# Altium PCB main - Copy.PcbDoc (part 9 of 14)
Units mil, origin at the board's own origin, x right, y up, seen from the top; angles counter-clockwise.
Board outline 8394.55 x 5164.44 mil, 7 copper layers (Top Layer 1, Layer 2, Layer 3, Unused, Layer 4_pow, Layer 5_gnd, Bottom 6+gnd), stack 46.112 mil thick; 406 components, 463 nets, 1919 pads, 903 vias.
Unrouted connection lines stored in the file: 147.
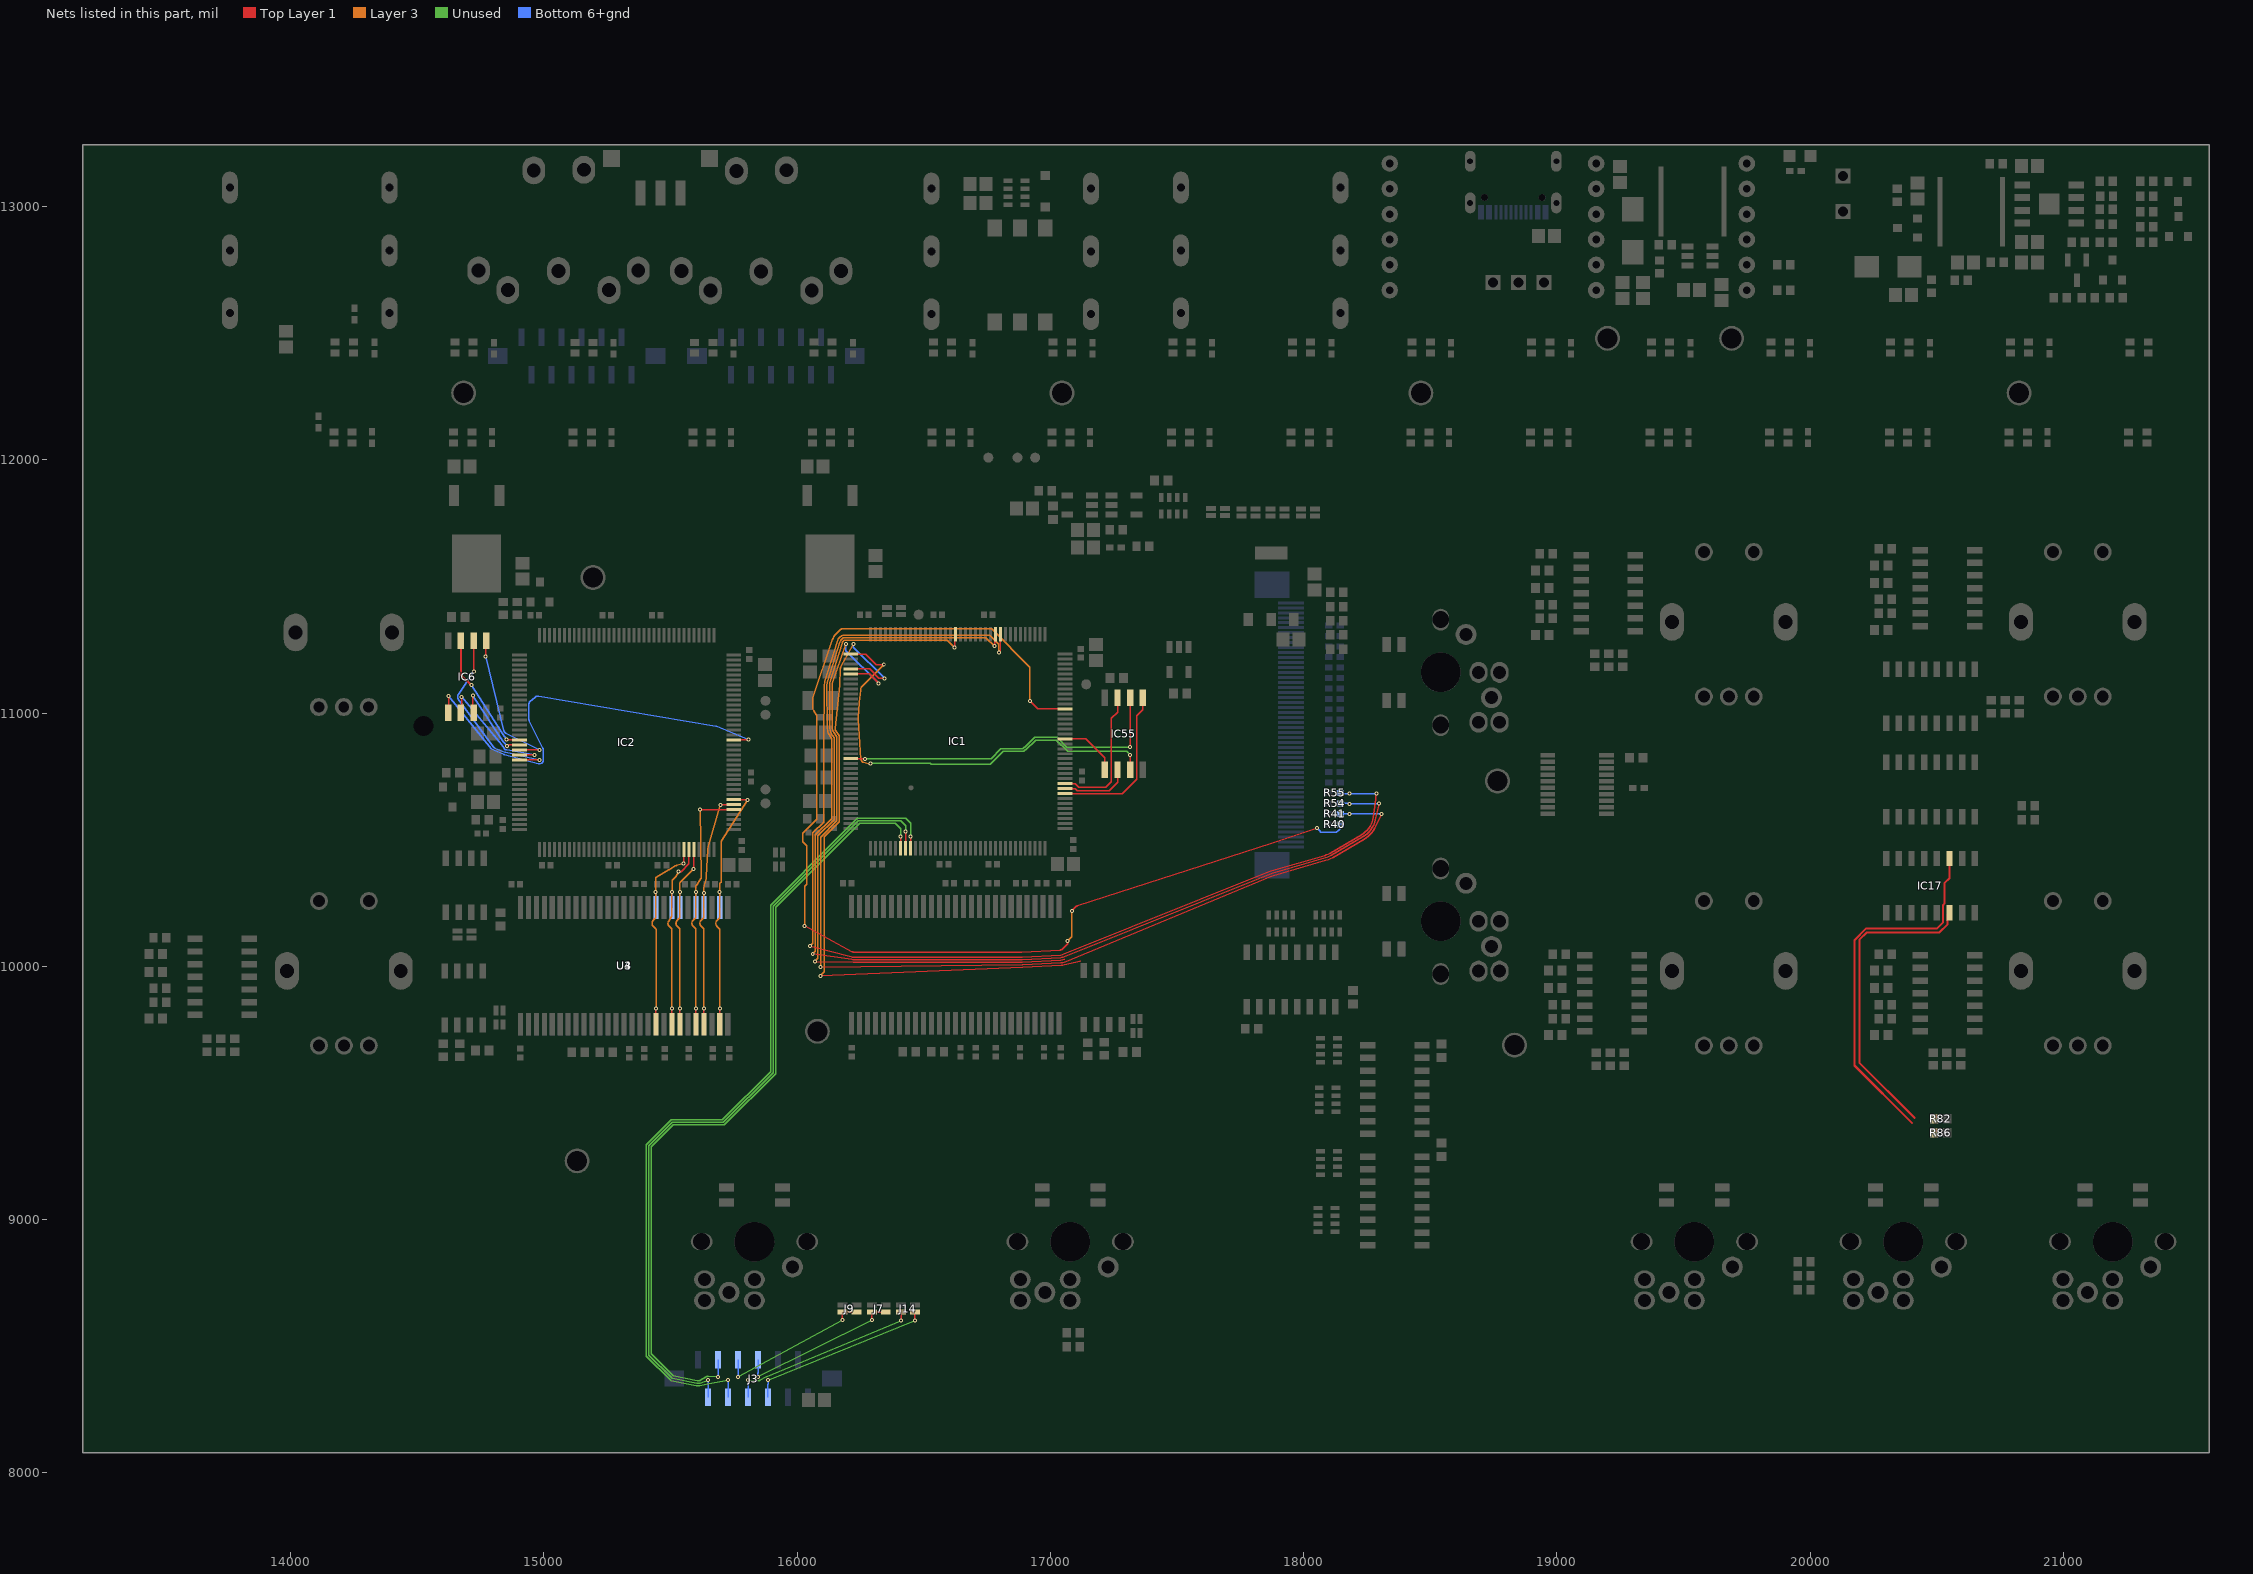
[diagram p13: the nets of this part, all layers, seen from the top]

## Via types
v1: diameter 15.75, hole 7.87, Top Layer 1 to Bottom 6+gnd, tented both sides, 830 vias
v2: diameter 27.56, hole 11.81, Top Layer 1 to Bottom 6+gnd, 45 vias
v3: diameter 23.62/23.62/23.62/23.62/23.62/23.62/23.62 (per signal layer), hole 12, Top Layer 1 to Bottom 6+gnd, tented top, 12 vias
v4: diameter 15.75, hole 7.87, Top Layer 1 to Bottom 6+gnd, 10 vias
v5: diameter 23.62/23.62/23.62/23.62/23.62/23.62/23.62 (per signal layer), hole 12, Top Layer 1 to Bottom 6+gnd, tented bottom, 6 vias

## Nets (pads, with @x,y where several pads share a name; then routed paths per layer and width w, separated by ;. In a path a pad name is that pad's centre, name@x,y a point inside that pad or via, vN(x,y) a via of type N, cw(c..) or ccw(c..) an arc to the next point about the centre after c; other vN are vias at no path point) (continued)
DD10: IC2.66 U3.45 U4.45 | length 910.2
  Top Layer 1 w5: U3.45@15442.68,9771.4 v1@15442.68,9833.24 ; v1(15552.06,10406.33) 15552.97,10407.25 IC2.66@15552.97,10461.96
  Layer 3 w5: 15430.83,10180.02 ccw(c15442.44,10169.94) 15431.54,10159.1 15441.47,10149.12 ; 15430.84,10180.03 15440.47,10191.09 ccw(c15436.7,10194.37) 15441.7,10194.28 ; 15441.7,10194.33 v1(15441.7,10294.63) 15441.7,10347.56 ; v1(15442.93,9833.49) 15442.93,10145.64 ; v1(15552.06,10406.33) 15525.15,10399.14 ccw(c15531.7,10374.63) 15519.03,10396.62 15494.19,10382.3 ccw(c15506.85,10360.32) 15493.66,10381.99 15444.1,10351.83 ; 15441.47,10149.12 cw(c15437.93,10145.59) 15442.93,10145.68 ; 15441.47,10149.12 cw(c15437.93,10145.59) 15442.93,10145.68 ; 15441.47,10149.12 cw(c15437.93,10145.59) 15442.93,10145.68 ; 15441.47,10149.12 cw(c15437.93,10145.59) 15442.93,10145.68 ; 15441.47,10149.12 cw(c15437.93,10145.59) 15442.93,10145.68 ; 15441.47,10149.12 cw(c15437.93,10145.59) 15442.93,10145.68 ; 15441.47,10149.12 cw(c15437.93,10145.59) 15442.93,10145.68 ; 15441.47,10149.12 cw(c15437.93,10145.59) 15442.93,10145.68 ; 15441.47,10149.12 cw(c15437.93,10145.59) 15442.93,10145.68 ; 15441.47,10149.12 cw(c15437.93,10145.59) 15442.93,10145.68 ; 15441.47,10149.12 cw(c15437.93,10145.59) 15442.93,10145.68 ; 15441.47,10149.12 cw(c15437.93,10145.59) 15442.93,10145.68 ; 15441.47,10149.12 cw(c15437.93,10145.59) 15442.93,10145.68 ; 15441.47,10149.12 cw(c15437.93,10145.59) 15442.93,10145.68 ; 15441.47,10149.12 cw(c15437.93,10145.59) 15442.93,10145.68 ; 15441.47,10149.12 cw(c15437.93,10145.59) 15442.93,10145.68 ; 15441.7,10347.56 cw(c15446.7,10347.56) 15444.1,10351.83 ; 15441.7,10347.56 cw(c15446.7,10347.56) 15444.1,10351.83 ; 15441.7,10347.56 cw(c15446.7,10347.56) 15444.1,10351.83 ; 15441.7,10347.56 cw(c15446.7,10347.56) 15444.1,10351.83 ; 15441.7,10347.56 cw(c15446.7,10347.56) 15444.1,10351.83
  Bottom 6+gnd w5: v1(15441.7,10294.63) 15441.7,10233.01 U4.45@15442.68,10232.03
DD11: IC2.67 U3.47 U4.47 | length 1291.6
  Top Layer 1 w5: U3.47@15505.68,9771.4 v1@15505.68,9833.24 ; v1(15531.7,10374.63) 15542.1,10374.63 15572.76,10405.29 IC2.67@15572.82,10461.87
  Layer 3 w5: v1(15505.92,9833.49) 15505.92,10145.64 ; 15505.92,10200.79 cw(c15500.92,10200.88) 15505.15,10198.2 15492.45,10178.18 ; 15505.92,10200.83 15505.92,10293.59 v1(15506.43,10294.1) 15506.43,10336.08 ; v1(15531.7,10374.63) 15520.48,10353.18 ; 15492.45,10178.18 ccw(c15505.43,10169.94) 15494.58,10159.05 ; 15492.45,10178.18 ccw(c15505.43,10169.94) 15494.58,10159.05 ; 15492.45,10178.18 ccw(c15505.43,10169.94) 15494.58,10159.05 ; 15492.45,10178.18 ccw(c15505.43,10169.94) 15494.58,10159.05 ; 15492.45,10178.18 ccw(c15505.43,10169.94) 15494.58,10159.05 ; 15492.45,10178.18 ccw(c15505.43,10169.94) 15494.58,10159.05 ; 15492.45,10178.18 ccw(c15505.43,10169.94) 15494.58,10159.05 ; 15492.45,10178.18 ccw(c15505.43,10169.94) 15494.58,10159.05 ; 15492.45,10178.18 ccw(c15505.43,10169.94) 15494.58,10159.05 ; 15492.45,10178.18 ccw(c15505.43,10169.94) 15494.58,10159.05 ; 15492.45,10178.18 ccw(c15505.43,10169.94) 15494.58,10159.05 ; 15492.45,10178.18 ccw(c15505.43,10169.94) 15494.58,10159.05 ; 15492.45,10178.18 ccw(c15505.43,10169.94) 15494.58,10159.05 ; 15492.45,10178.18 ccw(c15505.43,10169.94) 15494.58,10159.05 ; 15492.45,10178.18 ccw(c15505.43,10169.94) 15494.58,10159.05 ; 15492.45,10178.18 ccw(c15505.43,10169.94) 15494.58,10159.05 ; 15494.58,10159.05 15504.47,10149.12 ; 15504.47,10149.12 cw(c15500.92,10145.59) 15505.92,10145.68 ; 15504.47,10149.12 cw(c15500.92,10145.59) 15505.92,10145.68 ; 15504.47,10149.12 cw(c15500.92,10145.59) 15505.92,10145.68 ; 15504.47,10149.12 cw(c15500.92,10145.59) 15505.92,10145.68 ; 15504.47,10149.12 cw(c15500.92,10145.59) 15505.92,10145.68 ; 15504.47,10149.12 cw(c15500.92,10145.59) 15505.92,10145.68 ; 15504.47,10149.12 cw(c15500.92,10145.59) 15505.92,10145.68 ; 15504.47,10149.12 cw(c15500.92,10145.59) 15505.92,10145.68 ; 15504.47,10149.12 cw(c15500.92,10145.59) 15505.92,10145.68 ; 15504.47,10149.12 cw(c15500.92,10145.59) 15505.92,10145.68 ; 15504.47,10149.12 cw(c15500.92,10145.59) 15505.92,10145.68 ; 15504.47,10149.12 cw(c15500.92,10145.59) 15505.92,10145.68 ; 15504.47,10149.12 cw(c15500.92,10145.59) 15505.92,10145.68 ; 15504.47,10149.12 cw(c15500.92,10145.59) 15505.92,10145.68 ; 15504.47,10149.12 cw(c15500.92,10145.59) 15505.92,10145.68 ; 15504.47,10149.12 cw(c15500.92,10145.59) 15505.92,10145.68 ; 15506.43,10336.08 cw(c15511.43,10336.08) 15507.87,10339.59 ; 15506.43,10336.08 cw(c15511.43,10336.08) 15507.87,10339.59 ; 15506.43,10336.08 cw(c15511.43,10336.08) 15507.87,10339.59 ; 15506.43,10336.08 cw(c15511.43,10336.08) 15507.87,10339.59 ; 15506.43,10336.08 cw(c15511.43,10336.08) 15507.87,10339.59 ; 15506.43,10336.08 cw(c15511.43,10336.08) 15507.87,10339.59 ; 15506.43,10336.08 cw(c15511.43,10336.08) 15507.87,10339.59 ; 15506.43,10336.08 cw(c15511.43,10336.08) 15507.87,10339.59 ; 15506.43,10336.08 cw(c15511.43,10336.08) 15507.87,10339.59 ; 15506.43,10336.08 cw(c15511.43,10336.08) 15507.87,10339.59 ; 15506.43,10336.08 cw(c15511.43,10336.08) 15507.87,10339.59 ; 15506.43,10336.08 cw(c15511.43,10336.08) 15507.87,10339.59 ; 15506.43,10336.08 cw(c15511.43,10336.08) 15507.87,10339.59 ; 15506.43,10336.08 cw(c15511.43,10336.08) 15507.87,10339.59 ; 15506.43,10336.08 cw(c15511.43,10336.08) 15507.87,10339.59 ; 15506.43,10336.08 cw(c15511.43,10336.08) 15507.87,10339.59 ; 15507.87,10339.59 15517.74,10349.46 ; 15517.74,10349.46 ccw(c15506.85,10360.32) 15520.48,10353.19 ; 15517.74,10349.46 ccw(c15506.85,10360.32) 15520.48,10353.19 ; 15517.74,10349.46 ccw(c15506.85,10360.32) 15520.48,10353.19 ; 15517.74,10349.46 ccw(c15506.85,10360.32) 15520.48,10353.19 ; 15517.74,10349.46 ccw(c15506.85,10360.32) 15520.48,10353.19 ; 15517.74,10349.46 ccw(c15506.85,10360.32) 15520.48,10353.19 ; 15517.74,10349.46 ccw(c15506.85,10360.32) 15520.48,10353.19 ; 15517.74,10349.46 ccw(c15506.85,10360.32) 15520.48,10353.19 ; 15517.74,10349.46 ccw(c15506.85,10360.32) 15520.48,10353.19 ; 15517.74,10349.46 ccw(c15506.85,10360.32) 15520.48,10353.19 ; 15517.74,10349.46 ccw(c15506.85,10360.32) 15520.48,10353.19 ; 15517.74,10349.46 ccw(c15506.85,10360.32) 15520.48,10353.19 ; 15517.74,10349.46 ccw(c15506.85,10360.32) 15520.48,10353.19 ; 15517.74,10349.46 ccw(c15506.85,10360.32) 15520.48,10353.19 ; 15517.74,10349.46 ccw(c15506.85,10360.32) 15520.48,10353.19 ; 15517.74,10349.46 ccw(c15506.85,10360.32) 15520.48,10353.19
  Bottom 6+gnd w5: U4.47@15505.68,10232.03 15506.43,10232.78 v1(15506.43,10294.1)
DD12: IC2.68 U3.48 U4.48 | length 1210.8
  Top Layer 1 w5: U3.48@15537.17,9771.4 v1@15537.17,9833.24 ; v1(15591.7,10384.63) 15592.07,10385 15592.07,10461.18 IC2.68@15592.33,10461.44
  Layer 3 w5: v1(15537.42,9833.49) 15537.42,10145.64 ; 15537.42,10195.56 15537.42,10293.63 v1(15537.18,10293.87) 15536.93,10294.12 15536.93,10327.78 ; v1(15591.7,10384.63) 15538.37,10331.3 ; 15525.41,10180.13 ccw(c15536.93,10169.94) 15526.06,10159.07 ; 15525.41,10180.13 ccw(c15536.93,10169.94) 15526.06,10159.07 ; 15525.41,10180.13 ccw(c15536.93,10169.94) 15526.06,10159.07 ; 15525.41,10180.13 ccw(c15536.93,10169.94) 15526.06,10159.07 ; 15525.41,10180.13 ccw(c15536.93,10169.94) 15526.05,10159.07 ; 15525.41,10180.13 ccw(c15536.93,10169.94) 15526.05,10159.07 ; 15525.41,10180.13 ccw(c15536.93,10169.94) 15526.05,10159.07 ; 15525.41,10180.13 ccw(c15536.93,10169.94) 15526.05,10159.07 ; 15525.41,10180.13 ccw(c15536.93,10169.94) 15526.05,10159.07 ; 15525.41,10180.13 ccw(c15536.93,10169.94) 15526.05,10159.07 ; 15525.41,10180.13 ccw(c15536.93,10169.94) 15526.05,10159.07 ; 15525.41,10180.13 ccw(c15536.93,10169.94) 15526.05,10159.07 ; 15525.41,10180.13 15536.16,10192.29 ; 15526.06,10159.07 15535.95,10149.17 ; 15535.95,10149.17 cw(c15532.42,10145.64) 15537.42,10145.67 ; 15535.95,10149.17 cw(c15532.42,10145.64) 15537.42,10145.67 ; 15535.95,10149.17 cw(c15532.42,10145.64) 15537.42,10145.67 ; 15535.95,10149.17 cw(c15532.42,10145.64) 15537.42,10145.67 ; 15535.95,10149.17 cw(c15532.42,10145.64) 15537.42,10145.67 ; 15535.95,10149.17 cw(c15532.42,10145.64) 15537.42,10145.67 ; 15535.95,10149.17 cw(c15532.42,10145.64) 15537.42,10145.67 ; 15535.95,10149.17 cw(c15532.42,10145.64) 15537.42,10145.67 ; 15535.95,10149.17 cw(c15532.42,10145.64) 15537.42,10145.67 ; 15535.95,10149.17 cw(c15532.42,10145.64) 15537.42,10145.67 ; 15535.95,10149.17 cw(c15532.42,10145.64) 15537.42,10145.67 ; 15535.95,10149.17 cw(c15532.42,10145.64) 15537.42,10145.67 ; 15535.95,10149.17 cw(c15532.42,10145.64) 15537.42,10145.67 ; 15535.95,10149.17 cw(c15532.42,10145.64) 15537.42,10145.67 ; 15535.95,10149.17 cw(c15532.42,10145.64) 15537.42,10145.67 ; 15535.95,10149.17 cw(c15532.42,10145.64) 15537.42,10145.67 ; 15536.16,10192.29 ccw(c15532.42,10195.6) 15537.42,10195.51 ; 15536.16,10192.29 ccw(c15532.42,10195.6) 15537.42,10195.51 ; 15536.16,10192.29 ccw(c15532.42,10195.6) 15537.42,10195.51 ; 15536.16,10192.29 ccw(c15532.42,10195.6) 15537.42,10195.51 ; 15536.16,10192.29 ccw(c15532.42,10195.6) 15537.42,10195.51 ; 15536.16,10192.29 ccw(c15532.42,10195.6) 15537.42,10195.51 ; 15536.16,10192.29 ccw(c15532.42,10195.6) 15537.42,10195.51 ; 15536.16,10192.29 ccw(c15532.42,10195.6) 15537.42,10195.51 ; 15536.16,10192.29 ccw(c15532.42,10195.6) 15537.42,10195.51 ; 15536.16,10192.29 ccw(c15532.42,10195.6) 15537.42,10195.51 ; 15536.16,10192.29 ccw(c15532.42,10195.6) 15537.42,10195.51 ; 15536.16,10192.29 ccw(c15532.42,10195.6) 15537.42,10195.51 ; 15536.16,10192.29 ccw(c15532.42,10195.6) 15537.42,10195.51 ; 15536.16,10192.29 ccw(c15532.42,10195.6) 15537.42,10195.51 ; 15536.16,10192.29 ccw(c15532.42,10195.6) 15537.42,10195.51 ; 15536.16,10192.29 ccw(c15532.42,10195.6) 15537.42,10195.51 ; 15536.93,10327.78 cw(c15541.93,10327.78) 15538.37,10331.3 ; 15536.93,10327.78 cw(c15541.93,10327.78) 15538.37,10331.29 ; 15536.93,10327.78 cw(c15541.93,10327.78) 15538.37,10331.29 ; 15536.93,10327.78 cw(c15541.93,10327.78) 15538.37,10331.29 ; 15536.93,10327.78 cw(c15541.93,10327.78) 15538.37,10331.29 ; 15536.93,10327.78 cw(c15541.93,10327.78) 15538.37,10331.29 ; 15536.93,10327.78 cw(c15541.93,10327.78) 15538.37,10331.29 ; 15536.93,10327.78 cw(c15541.93,10327.78) 15538.37,10331.29 ; 15536.93,10327.78 cw(c15541.93,10327.78) 15538.37,10331.29 ; 15536.93,10327.78 cw(c15541.93,10327.78) 15538.37,10331.29 ; 15536.93,10327.78 cw(c15541.93,10327.78) 15538.37,10331.29 ; 15536.93,10327.78 cw(c15541.93,10327.78) 15538.37,10331.29 ; 15536.93,10327.78 cw(c15541.93,10327.78) 15538.37,10331.29 ; 15536.93,10327.78 cw(c15541.93,10327.78) 15538.37,10331.29 ; 15536.93,10327.78 cw(c15541.93,10327.78) 15538.37,10331.29 ; 15536.93,10327.78 cw(c15541.93,10327.78) 15538.37,10331.29
  Bottom 6+gnd w5: U4.48@15537.18,10232.03 v1(15537.18,10293.87)
DD13: IC2.77 U3.50 U4.50 | length 1358.1
  Top Layer 1 w5: U3.50@15600.16,9771.4 v1@15600.16,9833.24 ; v1(15616.7,10619.63) 15617.11,10619.21 15676.37,10619.21 15676.78,10618.8 ; 15676.86,10618.88 IC2.77@15749.52,10618.88
  Layer 3 w5: v1(15600.41,9833.49) 15600.41,10145.64 ; 15600.41,10195.56 15600.41,10293.63 v1(15599.92,10294.12) 15599.92,10315.78 ; v1(15616.7,10619.63) 15622.07,10354.94 ; 15598.95,10149.12 cw(c15595.41,10145.59) 15600.41,10145.68 ; 15598.95,10149.12 cw(c15595.41,10145.59) 15600.41,10145.68 ; 15598.95,10149.12 cw(c15595.41,10145.59) 15600.41,10145.68 ; 15598.95,10149.12 cw(c15595.41,10145.59) 15600.41,10145.68 ; 15598.95,10149.12 cw(c15595.41,10145.59) 15600.41,10145.68 ; 15598.95,10149.12 cw(c15595.41,10145.59) 15600.41,10145.68 ; 15598.95,10149.12 cw(c15595.41,10145.59) 15600.41,10145.68 ; 15598.95,10149.12 cw(c15595.41,10145.59) 15600.41,10145.68 ; 15598.95,10149.12 cw(c15595.41,10145.59) 15600.41,10145.68 ; 15598.95,10149.12 cw(c15595.41,10145.59) 15600.41,10145.68 ; 15598.95,10149.12 cw(c15595.41,10145.59) 15600.41,10145.68 ; 15598.95,10149.12 cw(c15595.41,10145.59) 15600.41,10145.68 ; 15598.95,10149.12 cw(c15595.41,10145.59) 15600.41,10145.68 ; 15598.95,10149.12 cw(c15595.41,10145.59) 15600.41,10145.68 ; 15598.95,10149.12 cw(c15595.41,10145.59) 15600.41,10145.68 ; 15598.95,10149.12 cw(c15595.41,10145.59) 15600.41,10145.68 ; 15598.95,10149.12 15589.03,10159.1 cw(c15599.92,10169.94) 15588.4,10180.12 15599.16,10192.29 ; 15599.16,10192.29 ccw(c15595.41,10195.6) 15600.41,10195.51 ; 15599.16,10192.29 ccw(c15595.41,10195.6) 15600.41,10195.51 ; 15599.16,10192.29 ccw(c15595.41,10195.6) 15600.41,10195.51 ; 15599.16,10192.29 ccw(c15595.41,10195.6) 15600.41,10195.51 ; 15599.16,10192.29 ccw(c15595.41,10195.6) 15600.41,10195.51 ; 15599.16,10192.29 ccw(c15595.41,10195.6) 15600.41,10195.51 ; 15599.16,10192.29 ccw(c15595.41,10195.6) 15600.41,10195.51 ; 15599.16,10192.29 ccw(c15595.41,10195.6) 15600.41,10195.51 ; 15599.16,10192.29 ccw(c15595.41,10195.6) 15600.41,10195.51 ; 15599.16,10192.29 ccw(c15595.41,10195.6) 15600.41,10195.51 ; 15599.16,10192.29 ccw(c15595.41,10195.6) 15600.41,10195.51 ; 15599.16,10192.29 ccw(c15595.41,10195.6) 15600.41,10195.51 ; 15599.16,10192.29 ccw(c15595.41,10195.6) 15600.41,10195.51 ; 15599.16,10192.29 ccw(c15595.41,10195.6) 15600.41,10195.51 ; 15599.16,10192.29 ccw(c15595.41,10195.6) 15600.41,10195.51 ; 15599.16,10192.29 ccw(c15595.41,10195.6) 15600.41,10195.51 ; 15599.92,10315.78 cw(c15604.92,10315.78) 15600.79,10318.59 ; 15599.92,10315.78 cw(c15604.92,10315.78) 15600.79,10318.59 ; 15599.92,10315.78 cw(c15604.92,10315.78) 15600.79,10318.59 ; 15599.92,10315.78 cw(c15604.92,10315.78) 15600.79,10318.59 ; 15599.92,10315.78 cw(c15604.92,10315.78) 15600.79,10318.59 ; 15599.92,10315.78 cw(c15604.92,10315.78) 15600.79,10318.59 ; 15599.92,10315.78 cw(c15604.92,10315.78) 15600.79,10318.59 ; 15599.92,10315.78 cw(c15604.92,10315.78) 15600.79,10318.59 ; 15599.92,10315.78 cw(c15604.92,10315.78) 15600.79,10318.59 ; 15599.92,10315.78 cw(c15604.92,10315.78) 15600.79,10318.59 ; 15599.92,10315.78 cw(c15604.92,10315.78) 15600.79,10318.59 ; 15599.92,10315.78 cw(c15604.92,10315.78) 15600.79,10318.59 ; 15599.92,10315.78 cw(c15604.92,10315.78) 15600.79,10318.59 ; 15599.92,10315.78 cw(c15604.92,10315.78) 15600.79,10318.59 ; 15599.92,10315.78 cw(c15604.92,10315.78) 15600.79,10318.59 ; 15599.92,10315.78 cw(c15604.92,10315.78) 15600.79,10318.59 ; 15600.79,10318.59 15619.41,10345.98 ; 15619.41,10345.98 ccw(c15606.7,10354.63) 15622.07,10354.94 ; 15619.41,10345.98 ccw(c15606.7,10354.63) 15622.07,10354.94 ; 15619.41,10345.98 ccw(c15606.7,10354.63) 15622.07,10354.94 ; 15619.41,10345.98 ccw(c15606.7,10354.63) 15622.07,10354.94 ; 15619.41,10345.98 ccw(c15606.7,10354.63) 15622.07,10354.94 ; 15619.41,10345.98 ccw(c15606.7,10354.63) 15622.07,10354.94 ; 15619.41,10345.98 ccw(c15606.7,10354.63) 15622.07,10354.94 ; 15619.41,10345.98 ccw(c15606.7,10354.63) 15622.07,10354.94 ; 15619.41,10345.98 ccw(c15606.7,10354.63) 15622.07,10354.94 ; 15619.41,10345.98 ccw(c15606.7,10354.63) 15622.07,10354.94 ; 15619.41,10345.98 ccw(c15606.7,10354.63) 15622.07,10354.94 ; 15619.41,10345.98 ccw(c15606.7,10354.63) 15622.07,10354.94 ; 15619.41,10345.98 ccw(c15606.7,10354.63) 15622.07,10354.94 ; 15619.41,10345.98 ccw(c15606.7,10354.63) 15622.07,10354.94 ; 15619.41,10345.98 ccw(c15606.7,10354.63) 15622.07,10354.94 ; 15619.41,10345.98 ccw(c15606.7,10354.63) 15622.07,10354.94
  Bottom 6+gnd w5: U4.50@15600.16,10232.03 v1@15600.16,10293.87
DD14: IC2.78 U3.51 U4.51 | length 1106.9
  Top Layer 1 w5: U3.51@15631.66,9771.4 v1@15631.66,9833.24 ; v1@15697.01,10638.41 IC2.78@15749.3,10638.41
  Layer 3 w5: v1(15631.91,9833.49) 15631.91,10145.64 ; 15631.91,10195.56 v1(15631.91,10290.22) 15631.91,10311.14 cw(c15636.91,10311.14) 15632.07,10312.4 15640.88,10345.53 ccw(c15606.7,10354.63) 15642.04,10353.12 15646.74,10463.17 ; 15646.74,10463.2 cw(c15651.73,10462.93) 15646.75,10463.3 15646.77,10463.62 cw(c15661.73,10462.47) 15647.31,10466.62 v1(15696.78,10638.17) ; 15630.45,10149.12 cw(c15626.91,10145.59) 15631.91,10145.68 ; 15630.45,10149.12 cw(c15626.91,10145.59) 15631.91,10145.68 ; 15630.45,10149.12 cw(c15626.91,10145.59) 15631.91,10145.68 ; 15630.45,10149.12 cw(c15626.91,10145.59) 15631.91,10145.68 ; 15630.45,10149.12 cw(c15626.91,10145.59) 15631.91,10145.68 ; 15630.45,10149.12 cw(c15626.91,10145.59) 15631.91,10145.68 ; 15630.45,10149.12 cw(c15626.91,10145.59) 15631.91,10145.68 ; 15630.45,10149.12 cw(c15626.91,10145.59) 15631.91,10145.68 ; 15630.45,10149.12 cw(c15626.91,10145.59) 15631.91,10145.68 ; 15630.45,10149.12 cw(c15626.91,10145.59) 15631.91,10145.68 ; 15630.45,10149.12 cw(c15626.91,10145.59) 15631.91,10145.68 ; 15630.45,10149.12 cw(c15626.91,10145.59) 15631.91,10145.68 ; 15630.45,10149.12 cw(c15626.91,10145.59) 15631.91,10145.68 ; 15630.45,10149.12 cw(c15626.91,10145.59) 15631.91,10145.68 ; 15630.45,10149.12 cw(c15626.91,10145.59) 15631.91,10145.68 ; 15630.45,10149.12 cw(c15626.91,10145.59) 15631.91,10145.68 ; 15630.45,10149.12 15620.52,10159.1 cw(c15631.42,10169.94) 15619.89,10180.12 15630.65,10192.29 ; 15630.65,10192.29 ccw(c15626.91,10195.6) 15631.91,10195.51 ; 15630.65,10192.29 ccw(c15626.91,10195.6) 15631.91,10195.51 ; 15630.65,10192.29 ccw(c15626.91,10195.6) 15631.91,10195.51 ; 15630.65,10192.29 ccw(c15626.91,10195.6) 15631.91,10195.51 ; 15630.65,10192.29 ccw(c15626.91,10195.6) 15631.91,10195.51 ; 15630.65,10192.29 ccw(c15626.91,10195.6) 15631.91,10195.51 ; 15630.65,10192.29 ccw(c15626.91,10195.6) 15631.91,10195.51 ; 15630.65,10192.29 ccw(c15626.91,10195.6) 15631.91,10195.51 ; 15630.65,10192.29 ccw(c15626.91,10195.6) 15631.91,10195.51 ; 15630.65,10192.29 ccw(c15626.91,10195.6) 15631.91,10195.51 ; 15630.65,10192.29 ccw(c15626.91,10195.6) 15631.91,10195.51 ; 15630.65,10192.29 ccw(c15626.91,10195.6) 15631.91,10195.51 ; 15630.65,10192.29 ccw(c15626.91,10195.6) 15631.91,10195.51 ; 15630.65,10192.29 ccw(c15626.91,10195.6) 15631.91,10195.51 ; 15630.65,10192.29 ccw(c15626.91,10195.6) 15631.91,10195.51 ; 15630.65,10192.29 ccw(c15626.91,10195.6) 15631.91,10195.51
  Bottom 6+gnd w5: U4.51@15631.66,10232.03 15631.91,10232.28 v1(15631.91,10290.22)
DD15: IC2.79 U3.53 U4.53 | length 1158
  Top Layer 1 w5: U3.53@15694.65,9771.46 v1@15694.65,9833.24 ; IC2.79@15749.52,10658.25 15749.65,10658.06 15804.75,10658.06 v1(15804.94,10657.87)
  Layer 3 w5: v1(15694.9,9833.49) 15694.9,10145.64 ; 15694.9,10195.56 15694.9,10293.63 v1(15694.41,10294.12) 15694.41,10327.34 15699.8,10332.73 15699.8,10491.51 cw(c15704.8,10491.51) 15700.58,10494.2 v1(15804.94,10657.87) ; 15693.44,10149.12 cw(c15689.9,10145.59) 15694.9,10145.68 ; 15693.44,10149.12 cw(c15689.9,10145.59) 15694.9,10145.68 ; 15693.44,10149.12 cw(c15689.9,10145.59) 15694.9,10145.68 ; 15693.44,10149.12 cw(c15689.9,10145.59) 15694.9,10145.68 ; 15693.44,10149.12 cw(c15689.9,10145.59) 15694.9,10145.68 ; 15693.44,10149.12 cw(c15689.9,10145.59) 15694.9,10145.68 ; 15693.44,10149.12 cw(c15689.9,10145.59) 15694.9,10145.68 ; 15693.44,10149.12 cw(c15689.9,10145.59) 15694.9,10145.68 ; 15693.44,10149.12 cw(c15689.9,10145.59) 15694.9,10145.68 ; 15693.44,10149.12 cw(c15689.9,10145.59) 15694.9,10145.68 ; 15693.44,10149.12 cw(c15689.9,10145.59) 15694.9,10145.68 ; 15693.44,10149.12 cw(c15689.9,10145.59) 15694.9,10145.68 ; 15693.44,10149.12 cw(c15689.9,10145.59) 15694.9,10145.68 ; 15693.44,10149.12 cw(c15689.9,10145.59) 15694.9,10145.68 ; 15693.44,10149.12 cw(c15689.9,10145.59) 15694.9,10145.68 ; 15693.44,10149.12 cw(c15689.9,10145.59) 15694.9,10145.68 ; 15693.44,10149.12 15683.51,10159.1 cw(c15694.41,10169.94) 15682.89,10180.12 15693.64,10192.29 ; 15693.64,10192.29 ccw(c15689.9,10195.6) 15694.9,10195.51 ; 15693.64,10192.29 ccw(c15689.9,10195.6) 15694.9,10195.51 ; 15693.64,10192.29 ccw(c15689.9,10195.6) 15694.9,10195.51 ; 15693.64,10192.29 ccw(c15689.9,10195.6) 15694.9,10195.51 ; 15693.64,10192.29 ccw(c15689.9,10195.6) 15694.9,10195.51 ; 15693.64,10192.29 ccw(c15689.9,10195.6) 15694.9,10195.51 ; 15693.64,10192.29 ccw(c15689.9,10195.6) 15694.9,10195.51 ; 15693.64,10192.29 ccw(c15689.9,10195.6) 15694.9,10195.51 ; 15693.64,10192.29 ccw(c15689.9,10195.6) 15694.9,10195.51 ; 15693.64,10192.29 ccw(c15689.9,10195.6) 15694.9,10195.51 ; 15693.64,10192.29 ccw(c15689.9,10195.6) 15694.9,10195.51 ; 15693.64,10192.29 ccw(c15689.9,10195.6) 15694.9,10195.51 ; 15693.64,10192.29 ccw(c15689.9,10195.6) 15694.9,10195.51 ; 15693.64,10192.29 ccw(c15689.9,10195.6) 15694.9,10195.51 ; 15693.64,10192.29 ccw(c15689.9,10195.6) 15694.9,10195.51 ; 15693.64,10192.29 ccw(c15689.9,10195.6) 15694.9,10195.51
  Bottom 6+gnd w5: U4.53@15694.65,10232.03 v1@15694.65,10293.87
DISP_CLK_3: J3.7 J7.1 J7.3 | length 656.8
  Top Layer 1 w5: v1@16294.88,8603.3 J7.1@16294.88,8635.04 J7.3@16350,8635.04
  Unused w5: v1(15845.51,8378.94) v1(16295.11,8603.07)
  Bottom 6+gnd w5: v1(15845.51,8378.94) 15845.51,8394.49 15845.63,8394.61 J3.7@15845.63,8446.46
DISP_DI_3: J3.5 J9.1 J9.3 | length 623.9
  Top Layer 1 w5: v1(16178.89,8603.19) 16178.66,8603.42 J9.3@16178.66,8635.16 J9.1@16233.78,8635.16
  Unused w5: v1(15766.77,8378.94) v1(16178.89,8603.19)
  Bottom 6+gnd w5: v1(15766.77,8378.94) 15766.77,8394.49 15766.89,8394.61 J3.5@15766.89,8446.46
DISP_DO_3: J3.6 J14.1 | length 753.4
  Top Layer 1 w5: J14.1@16410,8635.04 16410.23,8634.81 v1(16410.23,8601.85)
  Unused w5: v1(15806.38,8366.33) 15844.41,8363.61 ccw(c15845.51,8378.94) 15853.21,8365.64 15877.42,8379.64 cw(c15885.12,8366.33) 15879.2,8380.52 v1(16410.23,8601.85)
  Bottom 6+gnd w5: J3.6@15806.26,8298.82 15806.26,8350.67 15806.38,8350.79 v1(15806.38,8366.33)
DISP_NSS_3: J3.8 J14.3 | length 727.1
  Top Layer 1 w5: J14.3@16465.12,8635.04 16465.35,8634.81 v1(16465.35,8601.85)
  Unused w5: v1(15885.12,8366.33) v1(16465.35,8601.85)
  Bottom 6+gnd w5: J3.8@15885,8298.82 15885,8350.67 15885.12,8350.79 v1(15885.12,8366.33)
FLASH_CLK_6: IC1.22 IC55.6 | length 1347.7
  Top Layer 1 w5: IC1.22@16212.24,10819.92 v1@16267.13,10819.92 ; v1(17314.79,10865.88) 17314.79,11060.34 IC55.6@17315,11060.55
  Unused w5: v1(16267.2,10819.85) 16766.03,10819.85 16804.7,10858.51 16890.31,10858.51 16896.84,10865.04 16898.64,10865.04 16937.43,10903.82 17026.5,10903.82 17064.44,10865.88 v1(17314.79,10865.88)
FLASH_CLK_7: IC2.22 IC6.6 | length 753
  Top Layer 1 w5: IC6.6@14722.62,11285.63 14722.62,11165.84 v1(14723.34,11165.12) ; IC2.22@14904,10815.73 14904.24,10815.49 14982.48,10815.49 v1(14982.71,10815.26)
  Bottom 6+gnd w5: v1(14723.34,11165.12) 14662.16,11072.28 ccw(c14675,11063.82) 14662.62,11054.71 14800.58,10867.17 ccw(c14812.96,10876.28) 14807.09,10862.08 14845.63,10846.14 ccw(c14855.33,10869.59) 14849.81,10844.82 14959.99,10820.25 ; 14960.03,10820.24 v1(14982.71,10815.26)
FLASH_CS_6: IC1.91 IC55.1 | length 235
  Top Layer 1 w5: IC1.91@17057.77,10898.65 17140.17,10898.65 17215,10823.82 IC55.1@17215,10777.09
FLASH_CS_7: IC2.91 IC6.1 | length 1752.3
  Top Layer 1 w5: IC6.1@14622.62,11002.16 14624.2,11003.74 v1(14624.2,11067.29) ; IC2.91@15749.52,10894.47 15749.91,10894.86 15807.94,10894.86 v1(15808.33,10895.26)
  Bottom 6+gnd w5: v1(14624.2,11067.29) 14793.31,10860.23 ccw(c14812.96,10876.28) 14803.27,10852.83 14841.81,10836.9 ccw(c14855.33,10869.59) 14846.3,10835.39 14978.79,10800.39 ccw(c14982.71,10815.26) 14998.09,10815.26 14998.09,10855.26 ccw(c14982.71,10855.26) 14996.43,10862.21 14942.99,10967.68 cw(c14956.7,10974.63) 14941.33,10974.27 14940.12,11032.34 cw(c14955.49,11032.66) 14945.1,11043.99 14966.24,11063.37 cw(c14976.62,11052.03) 14979.18,11067.19 15679.45,10948.9 cw(c15676.78,10933.76) 15682.72,10947.94 v1(15808.33,10895.26)
FLASH_D0_6: IC1.80 IC55.5 | length 637.8
  Top Layer 1 w5: IC1.80@17057.76,10682.13 17283.31,10682.13 17340.9,10739.71 17340.9,10989.71 17365,11013.82 IC55.5@17365,11060.55
FLASH_D0_7: IC2.20 IC6.5 | length 604.6
  Top Layer 1 w5: v1(14770,11223.82) 14770,11283.01 IC6.5@14772.62,11285.63 ; IC2.20@14904,10855.1 14904.08,10855.18 14982.63,10855.18 v1(14982.71,10855.26)
  Bottom 6+gnd w5: v1(14770,11223.82) 14841.92,10930.97 ccw(c14856.85,10934.67) 14850.03,10920.89 v1(14982.71,10855.26)
FLASH_D1_6: IC1.81 IC55.2 | length 274.5
  Top Layer 1 w5: IC1.81@17057.76,10701.81 17098.22,10701.81 17105.9,10694.12 17232.79,10694.12 17265,10726.33 IC55.2@17265,10777.09
FLASH_D1_7: IC2.21 IC6.2 | length 509.9
  Top Layer 1 w5: IC6.2@14672.62,11002.16 14675,11004.54 v1(14675,11063.82) ; IC2.21@14904,10835.42 14904.08,10835.34 v1(14963.33,10835.26) v1(14963.33,10835.26)
  Bottom 6+gnd w5: v1(14675,11063.82) 14824.72,10886.19 cw(c14812.96,10876.28) 14825.52,10885.15 14842.77,10860.72 ccw(c14855.33,10869.59) 14852.7,10854.44 v1(14963.33,10835.26)
FLASH_D2_6: IC1.1 IC55.3 | length 1753.9
  Top Layer 1 w5: IC1.1@16212.24,11233.31 16271.62,11233.31 16313.09,11191.83 v1(16342.09,11191.83) ; IC55.3@17315,10777.09 17315,10834.31 v1(17315.08,10834.39)
  Unused w5: v1(16289.09,10801.51) 16525.54,10801.51 16529.85,10797.2 16763.39,10797.2 16814.7,10848.51 16894.46,10848.51 16900.98,10855.04 16902.79,10855.04 16941.57,10893.82 17022.35,10893.82 17067.66,10848.51 17300.96,10848.51 v1(17315.08,10834.39)
  Layer 3 w5: 16244.93,11041.22 16240.76,10981.06 ccw(c16276.06,10978.64) 16240.77,10976.15 16251.87,10818.72 ccw(c16267.2,10819.85) 16262.44,10805.23 16287.09,10797.2 16287.09,10799.5 v1(16289.09,10801.51) ; 16245.17,11043.65 16250.91,11090.1 cw(c16286.01,11085.73) 16260.95,11110.69 v1(16342.09,11191.83)
FLASH_D2_7: IC2.19 IC6.3 | length 364.3
  Top Layer 1 w5: v1(14720,11068.82) 14720,11004.79 IC6.3@14722.62,11002.16 ; v1@14852.87,10864.22 14863.44,10874.79 IC2.19@14904,10874.79
  Bottom 6+gnd w5: v1(14720,11068.82) 14840.51,10886.77 ccw(c14853.33,10895.26) 14841.75,10885.15 v1(14855.33,10869.59)
FLASH_D3_6: IC1.82 IC55.7 | length 539.2
  Top Layer 1 w5: IC1.82@17057.76,10721.5 17097.8,10721.5 17112.09,10707.2 17218.39,10707.2 17240,10728.82 17240,10978.82 17265,11003.82 IC55.7@17265,11060.55
FLASH_D3_7: IC2.18 IC6.7 | length 499.7
  Top Layer 1 w5: v1(14853.33,10895.26) 14853.73,10894.86 14903.61,10894.86 IC2.18@14904,10894.47
  Top Layer 1 w8: IC6.7@14672.62,11285.63 14672.62,11151.91 v1(14713.44,11111.09)
  Bottom 6+gnd w5: v1(14713.44,11111.09) 14835.49,10920.97 ccw(c14856.85,10934.67) 14836.01,10920.2 v1(14853.33,10895.26)
FMC_A21_RS: IC1.4 | length 2737
  Top Layer 1 w5: v1(16092.09,9962.2) 16890.36,9996.9 ; IC1.4@16212.24,11174.25 16286.12,11174.25 16322.88,11137.5 v1(16345.4,11137.5) ; 17117.91,10021.37 ccw(c17119.29,10014) 17117.53,10021.29 17055.55,10006.66 cw(c17038.25,10080.02) 17042.2,10004.75 16890.95,9996.93 ; 16890.36,9996.9 ccw(c16887.09,10072.2) 16890.95,9996.93 ; 16890.36,9996.9 ccw(c16887.09,10072.2) 16890.95,9996.93 ; 16890.36,9996.9 ccw(c16887.09,10072.2) 16890.95,9996.93 ; 16890.36,9996.9 ccw(c16887.09,10072.2) 16890.95,9996.93 ; 16890.36,9996.9 ccw(c16887.09,10072.2) 16890.95,9996.93 ; 16890.36,9996.9 ccw(c16887.09,10072.2) 16890.95,9996.93 ; 16890.36,9996.9 ccw(c16887.09,10072.2) 16890.95,9996.93 ; 16890.36,9996.9 ccw(c16887.09,10072.2) 16890.95,9996.93 ; 16890.36,9996.9 ccw(c16887.09,10072.2) 16890.95,9996.93 ; 16890.36,9996.9 ccw(c16887.09,10072.2) 16890.95,9996.93 ; 16890.36,9996.9 ccw(c16887.09,10072.2) 16890.95,9996.93 ; 16890.36,9996.9 ccw(c16887.09,10072.2) 16890.95,9996.93 ; 16890.36,9996.9 ccw(c16887.09,10072.2) 16890.95,9996.93 ; 16890.36,9996.9 ccw(c16887.09,10072.2) 16890.95,9996.93 ; 16890.36,9996.9 ccw(c16887.09,10072.2) 16890.95,9996.93 ; 16890.36,9996.9 ccw(c16887.09,10072.2) 16890.95,9996.93
  Layer 3 w5: v1(16092.09,9962.2) 16107.8,9977.91 16107.8,10512.06 16166.87,10571.13 16166.87,10908.63 ; 16166.87,10908.68 ccw(c16161.87,10908.59) 16165.91,10911.54 16152.58,10929.76 cw(c16165,10938.82) 16149.72,10940.49 16168.57,11110.57 ccw(c16153.3,11112.31) 16168.66,11111.82 ; v1(16222.09,11272.2) 16172.53,11182.21 ccw(c16185.68,11175) 16170.69,11175.47 16168.66,11111.82 ; 16168.57,11110.58 ccw(c16153.3,11112.31) 16168.66,11111.82 ; 16168.57,11110.58 ccw(c16153.3,11112.31) 16168.66,11111.82 ; 16168.57,11110.58 ccw(c16153.3,11112.31) 16168.66,11111.82 ; 16168.57,11110.58 ccw(c16153.3,11112.31) 16168.66,11111.82
  Bottom 6+gnd w5: v1(16222.09,11272.2) 16222.09,11260.81 v1(16345.4,11137.5)
FMC_A22_RS: IC1.5 R41.2 | length 4455.4
  Top Layer 1 w5: v1(16091.41,9996.73) 16888,10006.84 16890.43,10006.92 17041.62,10014.74 ccw(c17038.25,10080.02) 17060.36,10018.51 ccw(c17056.94,10027.9) 17060.77,10018.67 17868.71,10354.46 cw(c17906.89,10262.58) 17879.24,10358.16 18087.94,10418.54 ccw(c18056.25,10529.09) 18114.09,10429.69 18238.57,10502.34 ccw(c18180.42,10601.98) 18285.34,10553.99 v1(18307.4,10602.23) ; IC1.5@16212.24,11154.57 16284.72,11154.57 v1(16322.09,11117.2)
  Layer 3 w5: v1(16091.41,9996.73) 16092.42,9997.75 16092.42,10510.82 16156.87,10575.27 16156.87,10904.54 ; 16138.75,11117.27 v1(16192.09,11272.2) ; 16138.75,11117.28 ccw(c16153.3,11112.31) 16137.92,11112.17 16139.63,10938.64 ; 16139.63,10938.64 ccw(c16165,10938.82) 16144.17,10924.34 ; 16139.63,10938.64 ccw(c16165,10938.82) 16144.17,10924.34 ; 16139.63,10938.64 ccw(c16165,10938.82) 16144.17,10924.34 ; 16139.63,10938.64 ccw(c16165,10938.82) 16144.17,10924.34 ; 16139.63,10938.64 ccw(c16165,10938.82) 16144.17,10924.34 ; 16139.63,10938.64 ccw(c16165,10938.82) 16144.17,10924.34 ; 16139.63,10938.64 ccw(c16165,10938.82) 16144.17,10924.34 ; 16139.63,10938.64 ccw(c16165,10938.82) 16144.17,10924.34 ; 16139.63,10938.64 ccw(c16165,10938.82) 16144.17,10924.34 ; 16139.63,10938.64 ccw(c16165,10938.82) 16144.17,10924.34 ; 16139.63,10938.64 ccw(c16165,10938.82) 16144.17,10924.34 ; 16139.63,10938.64 ccw(c16165,10938.82) 16144.17,10924.34 ; 16139.63,10938.64 ccw(c16165,10938.82) 16144.17,10924.34 ; 16139.63,10938.64 ccw(c16165,10938.82) 16144.17,10924.34 ; 16139.63,10938.64 ccw(c16165,10938.82) 16144.17,10924.34 ; 16139.63,10938.64 ccw(c16165,10938.82) 16144.17,10924.34 ; 16144.17,10924.33 16155.98,10907.3 ; 16155.98,10907.3 cw(c16151.87,10904.45) 16156.87,10904.54 ; 16155.98,10907.3 cw(c16151.87,10904.45) 16156.87,10904.54 ; 16155.98,10907.3 cw(c16151.87,10904.45) 16156.87,10904.54 ; 16155.98,10907.3 cw(c16151.87,10904.45) 16156.87,10904.54 ; 16155.98,10907.3 cw(c16151.87,10904.45) 16156.87,10904.54 ; 16155.98,10907.3 cw(c16151.87,10904.45) 16156.87,10904.54 ; 16155.98,10907.3 cw(c16151.87,10904.45) 16156.87,10904.54 ; 16155.98,10907.3 cw(c16151.87,10904.45) 16156.87,10904.54 ; 16155.98,10907.3 cw(c16151.87,10904.45) 16156.87,10904.54 ; 16155.98,10907.3 cw(c16151.87,10904.45) 16156.87,10904.54 ; 16155.98,10907.3 cw(c16151.87,10904.45) 16156.87,10904.54 ; 16155.98,10907.3 cw(c16151.87,10904.45) 16156.87,10904.54 ; 16155.98,10907.3 cw(c16151.87,10904.45) 16156.87,10904.54 ; 16155.98,10907.3 cw(c16151.87,10904.45) 16156.87,10904.54 ; 16155.98,10907.3 cw(c16151.87,10904.45) 16156.87,10904.54 ; 16155.98,10907.3 cw(c16151.87,10904.45) 16156.87,10904.54
  Bottom 6+gnd w5: v1(16192.09,11272.2) 16192.09,11247.2 v1(16322.09,11117.2) ; R41.2@18145.28,10602.19 18180.21,10602.19 v1(18180.42,10601.98) 18307.16,10601.98 v1(18307.4,10602.23)
FMC_NE1_CS: IC1.97 R40.2 | length 4684.9
  Top Layer 1 w5: v1(16029.21,10160.4) 16214.75,10058.69 ccw(c16222.09,10072.2) 16222.09,10056.83 16887.09,10056.83 ; 16887.85,10056.85 17039.04,10064.67 ccw(c17038.25,10080.02) 17046.63,10067.14 17068.29,10088.79 17068.29,10100.64 v1(17068.11,10100.81) ; v1(16919.97,11047.47) 16950.66,11016.77 IC1.97@17057.76,11016.77 ; v1(17085,10218.82) 17098.83,10234.16 cw(c17110.25,10223.87) 17105.56,10238.51 17873.66,10487.18 ccw(c17868.92,10501.81) 17873.74,10487.21 v1(18051.86,10545.99)
  Layer 3 w5: v1(16029.21,10160.4) 16029.21,10316.32 16037.09,10324.2 16037.09,10477.2 16021.67,10492.62 16021.67,10525.93 16077.09,10581.35 16077.09,10990.13 ccw(c16072.09,10990.13) 16076.31,10992.81 16065.29,11010.17 cw(c16086.71,11023.77) 16061.34,11023.77 16061.34,11052.2 cw(c16086.71,11052.2) 16062.65,11060.27 16139.58,11289.8 cw(c16192.09,11272.2) 16152.85,11311.28 16172.33,11330.76 cw(c16175.85,11327.2) 16175.85,11332.2 16768.04,11332.2 16918.76,11181.49 16918.76,11048.67 v1(16919.97,11047.47) ; v1(17068.11,10100.81) 17085,10117.69 v1(17085,10218.82)
  Bottom 6+gnd w5: v1(18051.86,10545.99) 18052.8,10545.99 18065,10533.79 18065,10531.75 18067.93,10528.82 18128.38,10528.82 18137.95,10536.68 18139.41,10537.9 18140.28,10538.57 18141.96,10539.79 R40.2@18145.28,10560.87
FMC_NE4_CS: IC1.127 | length 2802.7
  Top Layer 1 w5: v1(16070.24,10019.05) 16221.27,10016.84 ccw(c16222.09,10072.2) 16222.09,10016.83 16887.09,10016.83 ccw(c16887.09,10072.2) 16889.9,10016.9 17041.13,10024.73 ccw(c17038.25,10080.02) 17056.94,10027.9 ; v1(16620.85,11259.98) 16622.9,11262.04 16622.9,11309.32 IC1.127@16625.16,11311.57
  Layer 3 w5: v1(16070.24,10019.05) 16082.42,10031.23 16082.42,10514.96 16146.87,10579.41 16146.87,10900.35 ; 16129.03,11119.72 ccw(c16153.3,11112.31) 16127.93,11112.09 16129.63,10938.49 ccw(c16165,10938.82) 16135.32,10919.57 16146.06,10903.03 cw(c16141.87,10900.31) 16146.87,10900.39 ; 16129.03,11119.73 16177.39,11276.73 cw(c16192.09,11272.2) 16181.28,11283.14 16184.98,11286.84 cw(c16188.54,11283.28) 16188.45,11288.28 16592.54,11288.28 v1(16620.85,11259.98)
FMC_NOE_RD: IC1.118 R55.2 | length 4606.7
  Top Layer 1 w5: v1(16051.37,10079.87) 16213.22,10037.96 ccw(c16222.09,10072.2) 16222.09,10036.83 16887.09,10036.83 ccw(c16887.09,10072.2) 16888.89,10036.88 17040.1,10044.7 ccw(c17038.25,10080.02) 17051.47,10047.21 17862.29,10373.44 cw(c17906.89,10262.58) 17873.68,10377.37 18082.33,10437.74 ccw(c18056.25,10529.09) 18104.12,10447.03 18228.49,10519.61 ccw(c18180.42,10601.98) 18274.93,10589.22 18282.42,10644.65 v1(18287.45,10681.8) ; v1(16797.48,11238.48) 16797.48,11241.39 16802.32,11246.23 IC1.118@16802.32,11311.57
  Layer 3 w5: v1(16051.37,10079.87) 16062.42,10090.92 16062.42,10527.54 16104.66,10569.77 ; 16104.68,10569.8 ccw(c16101.09,10573.28) 16106.09,10573.28 16106.12,10880.47 cw(c16121.5,10880.47) 16106.12,10880.55 16107.93,11112.66 cw(c16153.3,11112.31) 16109.93,11125.65 16158.28,11282.62 cw(c16192.09,11272.2) 16167.02,11297.17 16170.87,11301.01 cw(c16188.49,11283.28) 16188.49,11308.28 16761.01,11308.28 16796.39,11272.9 16796.39,11239.57 v1(16797.48,11238.48)
  Bottom 6+gnd w5: R55.2@18145.28,10684.82 18157.54,10681.98 v1(18180.42,10681.98) ; v1@18180.64,10681.8 v1(18287.45,10681.8)
FMC_NWE_WE: IC1.119 R54.2 | length 4929.4
  Top Layer 1 w5: v1(16061.74,10049.65) 16215.56,10027.3 ccw(c16222.09,10072.2) 16222.09,10026.83 16887.09,10026.83 ccw(c16887.09,10072.2) 16889.37,10026.89 17040.59,10034.71 ccw(c17038.25,10080.02) 17055.17,10037.93 17866.02,10364.16 cw(c17906.89,10262.58) 17876.46,10367.76 18085.15,10428.14 ccw(c18056.25,10529.09) 18109.16,10438.4 18233.53,10510.97 ccw(c18180.42,10601.98) 18283.19,10578.71 v1(18297.66,10642.59) ; v1(16779.75,11264.24) 16781.19,11265.68 16781.19,11310.13 IC1.119@16782.64,11311.57
  Layer 3 w5: v1(16061.74,10049.65) 16072.42,10060.33 16072.42,10519.11 16136.87,10583.56 16136.87,10896.25 ; v1(16779.75,11264.24) 16745.71,11298.28 16188.49,11298.28 ; 16136.14,10898.77 cw(c16131.87,10896.16) 16136.87,10896.25 ; 16136.14,10898.77 cw(c16131.87,10896.16) 16136.87,10896.25 ; 16136.14,10898.77 cw(c16131.87,10896.16) 16136.87,10896.25 ; 16136.14,10898.77 cw(c16131.87,10896.16) 16136.87,10896.25 ; 16136.14,10898.77 cw(c16131.87,10896.16) 16136.87,10896.25 ; 16136.14,10898.77 cw(c16131.87,10896.16) 16136.87,10896.25 ; 16136.14,10898.77 cw(c16131.87,10896.16) 16136.87,10896.25 ; 16136.14,10898.77 cw(c16131.87,10896.16) 16136.87,10896.25 ; 16136.14,10898.77 cw(c16131.87,10896.16) 16136.87,10896.25 ; 16136.14,10898.77 cw(c16131.87,10896.16) 16136.87,10896.25 ; 16136.14,10898.77 cw(c16131.87,10896.16) 16136.87,10896.25 ; 16136.14,10898.77 cw(c16131.87,10896.16) 16136.87,10896.25 ; 16136.14,10898.77 cw(c16131.87,10896.16) 16136.87,10896.25 ; 16136.14,10898.77 cw(c16131.87,10896.16) 16136.87,10896.25 ; 16136.14,10898.77 cw(c16131.87,10896.16) 16136.87,10896.25 ; 16136.14,10898.77 cw(c16131.87,10896.16) 16136.87,10896.25 ; 16136.14,10898.77 16126.1,10915.46 cw(c16165,10938.82) 16119.63,10938.37 16117.93,11111.96 cw(c16153.3,11112.31) 16119.49,11122.72 16167.84,11279.67 ; 16167.84,11279.67 cw(c16192.09,11272.2) 16174.11,11290.11 ; 16167.84,11279.67 cw(c16192.09,11272.2) 16174.11,11290.11 ; 16167.84,11279.67 cw(c16192.09,11272.2) 16174.11,11290.11 ; 16167.84,11279.67 cw(c16192.09,11272.2) 16174.11,11290.11 ; 16167.84,11279.67 cw(c16192.09,11272.2) 16174.11,11290.11 ; 16167.84,11279.67 cw(c16192.09,11272.2) 16174.11,11290.11 ; 16167.84,11279.67 cw(c16192.09,11272.2) 16174.11,11290.11 ; 16167.84,11279.67 cw(c16192.09,11272.2) 16174.11,11290.11 ; 16167.84,11279.67 cw(c16192.09,11272.2) 16174.11,11290.11 ; 16167.84,11279.67 cw(c16192.09,11272.2) 16174.11,11290.11 ; 16167.84,11279.67 cw(c16192.09,11272.2) 16174.11,11290.11 ; 16167.84,11279.67 cw(c16192.09,11272.2) 16174.11,11290.11 ; 16167.84,11279.67 cw(c16192.09,11272.2) 16174.11,11290.11 ; 16167.84,11279.67 cw(c16192.09,11272.2) 16174.11,11290.11 ; 16167.84,11279.67 cw(c16192.09,11272.2) 16174.11,11290.11 ; 16167.84,11279.67 cw(c16192.09,11272.2) 16174.11,11290.11 ; 16174.11,11290.11 16177.92,11293.93 ; 16177.92,11293.93 cw(c16188.49,11283.28) 16188.49,11298.28 ; 16177.92,11293.93 cw(c16188.49,11283.28) 16188.49,11298.28 ; 16177.92,11293.93 cw(c16188.49,11283.28) 16188.49,11298.28 ; 16177.92,11293.93 cw(c16188.49,11283.28) 16188.49,11298.28 ; 16177.92,11293.93 cw(c16188.49,11283.28) 16188.49,11298.28 ; 16177.92,11293.93 cw(c16188.49,11283.28) 16188.49,11298.28 ; 16177.92,11293.93 cw(c16188.49,11283.28) 16188.49,11298.28 ; 16177.92,11293.93 cw(c16188.49,11283.28) 16188.49,11298.28 ; 16177.92,11293.93 cw(c16188.49,11283.28) 16188.49,11298.28 ; 16177.92,11293.93 cw(c16188.49,11283.28) 16188.49,11298.28 ; 16177.92,11293.93 cw(c16188.49,11283.28) 16188.49,11298.28 ; 16177.92,11293.93 cw(c16188.49,11283.28) 16188.49,11298.28 ; 16177.92,11293.93 cw(c16188.49,11283.28) 16188.49,11298.28 ; 16177.92,11293.93 cw(c16188.49,11283.28) 16188.49,11298.28 ; 16177.92,11293.93 cw(c16188.49,11283.28) 16188.49,11298.28 ; 16177.92,11293.93 cw(c16188.49,11283.28) 16188.49,11298.28
  Bottom 6+gnd w5: R54.2@18145.28,10643.5 18178.9,10643.5 v1(18180.42,10641.98) ; v1@18180.62,10641.78 18296.84,10641.78 v1(18297.66,10642.59)
FOOT1: IC1.45 J3.4 | length 3339.1
  Top Layer 1 w5: IC1.45@16447.99,10466.06 v1(16448.01,10513.73)
  Unused w5: 15501.11,8365.28 15405,8461.39 15405,9296.25 15502.57,9393.82 15705,9393.82 15895,9583.82 15895,10241.63 16160.6,10507.23 16238.15,10584.78 16429.04,10584.78 16448.01,10565.8 v1(16448.01,10513.73) ; 15501.13,8365.27 ccw(c15504.64,8368.82) 15503.67,8363.92 15602.38,8344.25 ccw(c15609.29,8378.94) 15616.1,8344.23 15651.86,8351.24 ; 15651.9,8351.25 v1(15727.64,8366.33)
  Bottom 6+gnd w5: J3.4@15727.52,8298.82 15727.52,8350.67 15727.64,8350.79 v1(15727.64,8366.33)
FOOT2: IC1.44 J3.2 | length 3197.2
  Top Layer 1 w5: IC1.44@16428.42,10466.17 v1@16428.42,10533.33
  Unused w5: v1(15648.9,8366.33) 15617.95,8355.09 cw(c15609.29,8378.94) 15604.15,8354.1 15507.76,8373.94 cw(c15508.77,8378.84) 15505.26,8375.28 15415,8465.53 15415,9292.1 15506.72,9383.82 15709.14,9383.82 15905,9579.68 15905,10237.49 16170.6,10503.09 16242.29,10574.78 16409.04,10574.78 16428.53,10555.29 v1(16428.53,10533.44)
  Bottom 6+gnd w5: J3.2@15648.78,8298.82 15648.78,8350.67 15648.9,8350.79 v1(15648.9,8366.33)
FOOT3: IC1.43 J3.3 | length 3175.6
  Top Layer 1 w5: IC1.43@16408.62,10466.06 v1@16408.64,10513.73
  Unused w5: v1(15688.03,8378.94) 15650,8381.66 ccw(c15648.9,8366.33) 15641.2,8379.64 15616.99,8365.64 cw(c15609.29,8378.94) 15606.08,8363.91 15511.87,8383.95 cw(c15512.91,8388.84) 15509.4,8385.28 15425,8469.68 15425,9287.96 15510.86,9373.82 15713.28,9373.82 15915,9575.53 15915,10233.35 16180.6,10498.94 16246.43,10564.78 16388.31,10564.78 16408.66,10544.43 v1(16408.66,10513.75)
  Bottom 6+gnd w5: v1(15688.03,8378.94) 15688.03,8394.49 15688.15,8394.61 J3.3@15688.15,8446.46
FOOT_L_1: IC17.11 R86.1 | length 1457.2
  Top Layer 1 w8: 20401.64,9382.18 20175,9608.82 20175,10103.82 20220,10148.82 20500,10148.82 20525,10173.82 20525,10242.57 20530,10247.57 20530,10328.82 20550,10348.82 IC17.11@20550,10426.1
FOOT_R_1: IC17.6 R82.1 | length 1215.6
  Top Layer 1 w8: 20412.26,9401.56 20194.19,9619.63 20194.19,10104.63 20223.38,10133.82 20510,10133.82 20541.2,10165.02 20541.2,10202.74 IC17.6@20550,10211.53